# EAGLE board Mk4 Final a Panel score 2x5 (EAGLE 9.0.1), part 6 of 29 (continued)
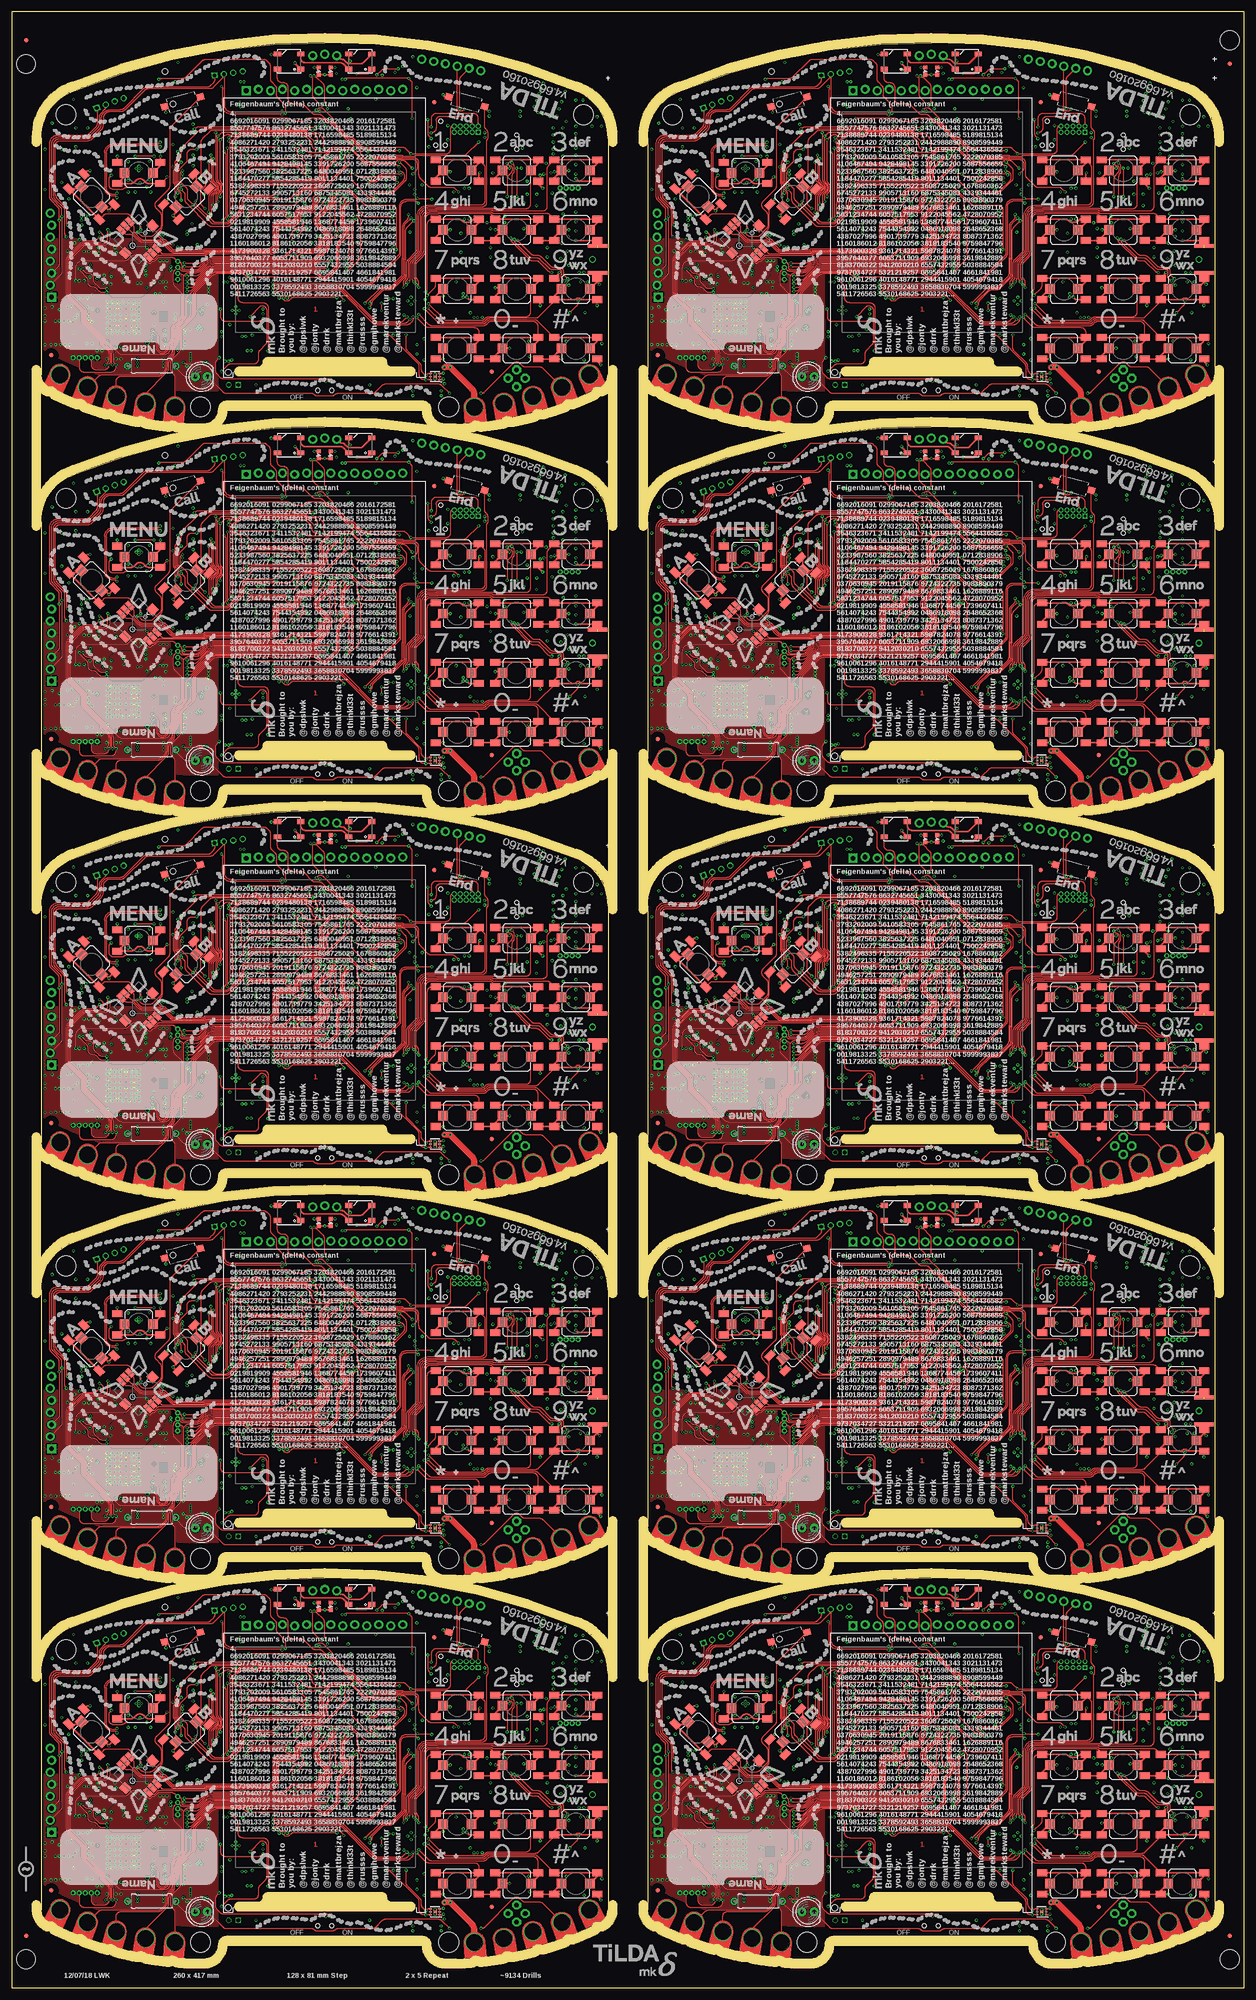
[diagram p0: board, top side]
## Nets (continued)
MIC_PWM_N [Audio]: C80.1 IC12.8 R54.1
MIC_PWM_N1 [Audio]: C181.1 IC27.8 R132.1
MIC_PWM_N2 [Audio]: C289.1 IC45.8 R210.1
MIC_PWM_N3 [Audio]: C397.1 IC63.8 R288.1
MIC_PWM_N4 [Audio]: C505.1 IC81.8 R366.1
MIC_PWM_N5 [Audio]: C613.1 IC99.8 R444.1
MIC_PWM_N6 [Audio]: C721.1 IC117.8 R522.1
MIC_PWM_N7 [Audio]: C829.1 IC135.8 R600.1
MIC_PWM_N8 [Audio]: C937.1 IC153.8 R678.1
MIC_PWM_N9 [Audio]: C1045.1 IC171.8 R756.1
MIC_PWM_P [Audio]: C81.1 IC12.4 R54.2
MIC_PWM_P1 [Audio]: C182.1 IC27.4 R132.2
MIC_PWM_P2 [Audio]: C290.1 IC45.4 R210.2
MIC_PWM_P3 [Audio]: C398.1 IC63.4 R288.2
MIC_PWM_P4 [Audio]: C506.1 IC81.4 R366.2
MIC_PWM_P5 [Audio]: C614.1 IC99.4 R444.2
MIC_PWM_P6 [Audio]: C722.1 IC117.4 R522.2
MIC_PWM_P7 [Audio]: C830.1 IC135.4 R600.2
MIC_PWM_P8 [Audio]: C938.1 IC153.4 R678.2
MIC_PWM_P9 [Audio]: C1046.1 IC171.4 R756.2
MIC_PWM_R: C79.2 R52.1 R53.1
MIC_PWM_R1: C180.2 R130.1 R131.1
MIC_PWM_R2: C288.2 R208.1 R209.1
MIC_PWM_R3: C396.2 R286.1 R287.1
MIC_PWM_R4: C504.2 R364.1 R365.1
MIC_PWM_R5: C612.2 R442.1 R443.1
MIC_PWM_R6: C720.2 R520.1 R521.1
MIC_PWM_R7: C828.2 R598.1 R599.1
MIC_PWM_R8: C936.2 R676.1 R677.1
MIC_PWM_R9: C1044.2 R754.1 R755.1
MIC_SWITCHED_N [Audio]: IC12.10 S22.5
MIC_SWITCHED_N1 [Audio]: IC27.10 S42.5
MIC_SWITCHED_N2 [Audio]: IC45.10 S63.5
MIC_SWITCHED_N3 [Audio]: IC63.10 S84.5
MIC_SWITCHED_N4 [Audio]: IC81.10 S105.5
MIC_SWITCHED_N5 [Audio]: IC99.10 S126.5
MIC_SWITCHED_N6 [Audio]: IC117.10 S147.5
MIC_SWITCHED_N7 [Audio]: IC135.10 S168.5
MIC_SWITCHED_N8 [Audio]: IC153.10 S189.5
MIC_SWITCHED_N9 [Audio]: IC171.10 S210.5
MIC_SWITCHED_P [Audio]: IC12.2 J9.1 S22.2
MIC_SWITCHED_P1 [Audio]: IC27.2 J17.1 S42.2
MIC_SWITCHED_P2 [Audio]: IC45.2 J27.1 S63.2
MIC_SWITCHED_P3 [Audio]: IC63.2 J37.1 S84.2
MIC_SWITCHED_P4 [Audio]: IC81.2 J47.1 S105.2
MIC_SWITCHED_P5 [Audio]: IC99.2 J57.1 S126.2
MIC_SWITCHED_P6 [Audio]: IC117.2 J67.1 S147.2
MIC_SWITCHED_P7 [Audio]: IC135.2 J77.1 S168.2
MIC_SWITCHED_P8 [Audio]: IC153.2 J87.1 S189.2
MIC_SWITCHED_P9 [Audio]: IC171.2 J97.1 S210.2
MUX_A: IC1.105 IC12.12 IC12.13 R56.1
MUX_A1: IC20.105 IC27.12 IC27.13 R134.1
MUX_A2: IC38.105 IC45.12 IC45.13 R212.1
MUX_A3: IC56.105 IC63.12 IC63.13 R290.1
MUX_A4: IC74.105 IC81.12 IC81.13 R368.1
MUX_A5: IC92.105 IC99.12 IC99.13 R446.1
MUX_A6: IC110.105 IC117.12 IC117.13 R524.1
MUX_A7: IC128.105 IC135.12 IC135.13 R602.1
MUX_A8: IC146.105 IC153.12 IC153.13 R680.1
MUX_A9: IC164.105 IC171.12 IC171.13 R758.1
MUX_B: IC1.106 IC12.5 IC12.6 R55.2
MUX_B1: IC20.106 IC27.5 IC27.6 R133.2
MUX_B2: IC38.106 IC45.5 IC45.6 R211.2
MUX_B3: IC56.106 IC63.5 IC63.6 R289.2
MUX_B4: IC74.106 IC81.5 IC81.6 R367.2
MUX_B5: IC92.106 IC99.5 IC99.6 R445.2
MUX_B6: IC110.106 IC117.5 IC117.6 R523.2
MUX_B7: IC128.106 IC135.5 IC135.6 R601.2
MUX_B8: IC146.106 IC153.5 IC153.6 R679.2
MUX_B9: IC164.106 IC171.5 IC171.6 R757.2
NETLIGHT_R: IC5.41 R42.2
NETLIGHT_R1: IC21.41 R124.2
NETLIGHT_R2: IC39.41 R202.2
NETLIGHT_R3: IC57.41 R280.2
NETLIGHT_R4: IC75.41 R358.2
NETLIGHT_R5: IC93.41 R436.2
NETLIGHT_R6: IC111.41 R514.2
NETLIGHT_R7: IC129.41 R592.2
NETLIGHT_R8: IC147.41 R670.2
NETLIGHT_R9: IC165.41 R748.2
NRST: JP4.3
NRST1: JP10.3
NRST2: JP19.3
NRST3: JP28.3
NRST4: JP37.3
NRST5: JP46.3
NRST6: JP55.3
NRST7: JP64.3
NRST8: JP73.3
NRST9: JP82.3
OSC0: C16.2 IC1.88 X2.1
OSC1: IC1.89 R6.1
OSC1_R: C17.2 R6.2 X2.3
OSC1_R1: C127.2 R90.2 X6.3
OSC1_R2: C235.2 R168.2 X10.3
OSC1_R3: C343.2 R246.2 X14.3
OSC1_R4: C451.2 R324.2 X18.3
OSC1_R5: C559.2 R402.2 X22.3
OSC1_R6: C667.2 R480.2 X26.3
OSC1_R7: C775.2 R558.2 X30.3
OSC1_R8: C883.2 R636.2 X34.3
OSC1_R9: C991.2 R714.2 X38.3
OSC2: C126.2 IC20.88 X6.1
OSC3: IC20.89 R90.1
OSC4: C234.2 IC38.88 X10.1
OSC5: IC38.89 R168.1
OSC6: C342.2 IC56.88 X14.1
OSC7: IC56.89 R246.1
OSC8: C450.2 IC74.88 X18.1
OSC9: IC74.89 R324.1
OSC10: C558.2 IC92.88 X22.1
OSC11: IC92.89 R402.1
OSC12: C666.2 IC110.88 X26.1
OSC13: IC110.89 R480.1
OSC14: C774.2 IC128.88 X30.1
OSC15: IC128.89 R558.1
OSC16: C882.2 IC146.88 X34.1
OSC17: IC146.89 R636.1
OSC18: C990.2 IC164.88 X38.1
OSC19: IC164.89 R714.1
POWER_SWITCH: Q3.4 R13.1 S18.3
POWER_SWITCH1: Q7.4 R96.1 S39.3
POWER_SWITCH2: Q12.4 R174.1 S60.3
POWER_SWITCH3: Q16.4 R252.1 S81.3
POWER_SWITCH4: Q20.4 R330.1 S102.3
POWER_SWITCH5: Q24.4 R408.1 S123.3
POWER_SWITCH6: Q28.4 R486.1 S144.3
POWER_SWITCH7: Q32.4 R564.1 S165.3
POWER_SWITCH8: Q36.4 R642.1 S186.3
POWER_SWITCH9: Q40.4 R720.1 S207.3
PWM2_SPK_PWM: C105.2 IC1.44
PWM2_SPK_PWM1: C213.2 IC20.44
PWM2_SPK_PWM2: C321.2 IC38.44
PWM2_SPK_PWM3: C429.2 IC56.44
PWM2_SPK_PWM4: C537.2 IC74.44
PWM2_SPK_PWM5: C645.2 IC92.44
PWM2_SPK_PWM6: C753.2 IC110.44
PWM2_SPK_PWM7: C861.2 IC128.44
PWM2_SPK_PWM8: C969.2 IC146.44
PWM2_SPK_PWM9: C1077.2 IC164.44
PWM3_MIC_PWM: IC1.45 R53.2
PWM3_MIC_PWM1: IC20.45 R131.2
PWM3_MIC_PWM2: IC38.45 R209.2
PWM3_MIC_PWM3: IC56.45 R287.2
PWM3_MIC_PWM4: IC74.45 R365.2
PWM3_MIC_PWM5: IC92.45 R443.2
PWM3_MIC_PWM6: IC110.45 R521.2
PWM3_MIC_PWM7: IC128.45 R599.2
PWM3_MIC_PWM8: IC146.45 R677.2
PWM3_MIC_PWM9: IC164.45 R755.2
PWM6_LCD_BLIGHT: IC1.63 Q8.3
PWM6_LCD_BLIGHT1: IC20.63 Q4.3
PWM6_LCD_BLIGHT2: IC38.63 Q9.3
PWM6_LCD_BLIGHT3: IC56.63 Q13.3
PWM6_LCD_BLIGHT4: IC74.63 Q17.3
PWM6_LCD_BLIGHT5: IC92.63 Q21.3
PWM6_LCD_BLIGHT6: IC110.63 Q25.3
PWM6_LCD_BLIGHT7: IC128.63 Q29.3
PWM6_LCD_BLIGHT8: IC146.63 Q33.3
PWM6_LCD_BLIGHT9: IC164.63 Q37.3
PWR_KEY_FET: IC5.39 Q1.3
PWR_KEY_FET1: IC21.39 Q6.3
PWR_KEY_FET2: IC39.39 Q11.3
PWR_KEY_FET3: IC57.39 Q15.3
PWR_KEY_FET4: IC75.39 Q19.3
PWR_KEY_FET5: IC93.39 Q23.3
PWR_KEY_FET6: IC111.39 Q27.3
PWR_KEY_FET7: IC129.39 Q31.3
PWR_KEY_FET8: IC147.39 Q35.3
PWR_KEY_FET9: IC165.39 Q39.3
RBIAS+: IC1.59 R3.1
RBIAS+1: IC20.59 R87.1
RBIAS+2: IC38.59 R165.1
RBIAS+3: IC56.59 R243.1
RBIAS+4: IC74.59 R321.1
RBIAS+5: IC92.59 R399.1
RBIAS+6: IC110.59 R477.1
RBIAS+7: IC128.59 R555.1
RBIAS+8: IC146.59 R633.1
RBIAS+9: IC164.59 R711.1
SDRAM_!CAS: IC1.83 IC2.17
SDRAM_!CAS1: IC19.17 IC20.83
SDRAM_!CAS2: IC37.17 IC38.83
SDRAM_!CAS3: IC55.17 IC56.83
SDRAM_!CAS4: IC73.17 IC74.83
SDRAM_!CAS5: IC91.17 IC92.83
SDRAM_!CAS6: IC109.17 IC110.83
SDRAM_!CAS7: IC127.17 IC128.83
SDRAM_!CAS8: IC145.17 IC146.83
SDRAM_!CAS9: IC163.17 IC164.83
SDRAM_!CS: IC1.103 IC2.19
SDRAM_!CS1: IC19.19 IC20.103
SDRAM_!CS2: IC37.19 IC38.103
SDRAM_!CS3: IC55.19 IC56.103
SDRAM_!CS4: IC73.19 IC74.103
SDRAM_!CS5: IC91.19 IC92.103
SDRAM_!CS6: IC109.19 IC110.103
SDRAM_!CS7: IC127.19 IC128.103
SDRAM_!CS8: IC145.19 IC146.103
SDRAM_!CS9: IC163.19 IC164.103
SDRAM_!RAS: IC1.84 IC2.18
SDRAM_!RAS1: IC19.18 IC20.84
SDRAM_!RAS2: IC37.18 IC38.84
SDRAM_!RAS3: IC55.18 IC56.84
SDRAM_!RAS4: IC73.18 IC74.84
SDRAM_!RAS5: IC91.18 IC92.84
SDRAM_!RAS6: IC109.18 IC110.84
SDRAM_!RAS7: IC127.18 IC128.84
SDRAM_!RAS8: IC145.18 IC146.84
SDRAM_!RAS9: IC163.18 IC164.84
SDRAM_!WE: IC1.92 IC2.16
SDRAM_!WE1: IC19.16 IC20.92
SDRAM_!WE2: IC37.16 IC38.92
SDRAM_!WE3: IC55.16 IC56.92
SDRAM_!WE4: IC73.16 IC74.92
SDRAM_!WE5: IC91.16 IC92.92
SDRAM_!WE6: IC109.16 IC110.92
SDRAM_!WE7: IC127.16 IC128.92
SDRAM_!WE8: IC145.16 IC146.92
SDRAM_!WE9: IC163.16 IC164.92
SDRAM_A0: IC1.29 IC2.2 IC2.23
SDRAM_A1: IC1.30 IC2.4 IC2.24
SDRAM_A2: IC1.31 IC2.5 IC2.25
SDRAM_A3: IC1.32 IC2.7 IC2.26
SDRAM_A4: IC1.22 IC2.8 IC2.29
SDRAM_A5: IC1.23 IC2.10 IC2.30
SDRAM_A6: IC1.24 IC2.11 IC2.31
SDRAM_A7: IC1.25 IC2.13 IC2.32
SDRAM_A8: IC1.40 IC2.33 IC2.42
SDRAM_A9: IC1.41 IC2.34 IC2.44
SDRAM_A10: IC1.50 IC2.22 IC2.45
SDRAM_A11: IC1.49 IC2.35 IC2.47
SDRAM_A12: IC1.75 IC2.36 IC2.48
SDRAM_A13: IC19.2 IC19.23 IC20.29
SDRAM_A14: IC19.4 IC19.24 IC20.30
SDRAM_A15: IC19.5 IC19.25 IC20.31
SDRAM_A16: IC19.7 IC19.26 IC20.32
SDRAM_A17: IC19.8 IC19.29 IC20.22
SDRAM_A18: IC19.10 IC19.30 IC20.23
SDRAM_A19: IC19.11 IC19.31 IC20.24
SDRAM_A20: IC19.13 IC19.32 IC20.25
SDRAM_A21: IC19.33 IC19.42 IC20.40
SDRAM_A22: IC19.34 IC19.44 IC20.41
SDRAM_A23: IC19.22 IC19.45 IC20.50
SDRAM_A24: IC19.36 IC19.48 IC20.75
SDRAM_A25: IC19.35 IC19.47 IC20.49
SDRAM_A26: IC37.2 IC37.23 IC38.29
SDRAM_A27: IC37.4 IC37.24 IC38.30
SDRAM_A28: IC37.5 IC37.25 IC38.31
SDRAM_A29: IC37.7 IC37.26 IC38.32
SDRAM_A30: IC37.8 IC37.29 IC38.22
SDRAM_A31: IC37.10 IC37.30 IC38.23
SDRAM_A32: IC37.11 IC37.31 IC38.24
SDRAM_A33: IC37.13 IC37.32 IC38.25
SDRAM_A34: IC37.33 IC37.42 IC38.40
SDRAM_A35: IC37.34 IC37.44 IC38.41
SDRAM_A36: IC37.22 IC37.45 IC38.50
SDRAM_A37: IC37.36 IC37.48 IC38.75
SDRAM_A38: IC37.35 IC37.47 IC38.49
SDRAM_A39: IC55.2 IC55.23 IC56.29
SDRAM_A40: IC55.4 IC55.24 IC56.30
SDRAM_A41: IC55.5 IC55.25 IC56.31
SDRAM_A42: IC55.7 IC55.26 IC56.32
SDRAM_A43: IC55.8 IC55.29 IC56.22
SDRAM_A44: IC55.10 IC55.30 IC56.23
SDRAM_A45: IC55.11 IC55.31 IC56.24
SDRAM_A46: IC55.13 IC55.32 IC56.25
SDRAM_A47: IC55.33 IC55.42 IC56.40
SDRAM_A48: IC55.34 IC55.44 IC56.41
SDRAM_A49: IC55.22 IC55.45 IC56.50
SDRAM_A50: IC55.36 IC55.48 IC56.75
SDRAM_A51: IC55.35 IC55.47 IC56.49
SDRAM_A52: IC73.2 IC73.23 IC74.29
SDRAM_A53: IC73.4 IC73.24 IC74.30
SDRAM_A54: IC73.5 IC73.25 IC74.31
SDRAM_A55: IC73.7 IC73.26 IC74.32
SDRAM_A56: IC73.8 IC73.29 IC74.22
SDRAM_A57: IC73.10 IC73.30 IC74.23
SDRAM_A58: IC73.11 IC73.31 IC74.24
SDRAM_A59: IC73.13 IC73.32 IC74.25
SDRAM_A60: IC73.33 IC73.42 IC74.40
SDRAM_A61: IC73.34 IC73.44 IC74.41
SDRAM_A62: IC73.22 IC73.45 IC74.50
SDRAM_A63: IC73.36 IC73.48 IC74.75
SDRAM_A64: IC73.35 IC73.47 IC74.49
SDRAM_A65: IC91.2 IC91.23 IC92.29
SDRAM_A66: IC91.4 IC91.24 IC92.30
SDRAM_A67: IC91.5 IC91.25 IC92.31
SDRAM_A68: IC91.7 IC91.26 IC92.32
SDRAM_A69: IC91.8 IC91.29 IC92.22
SDRAM_A70: IC91.10 IC91.30 IC92.23
SDRAM_A71: IC91.11 IC91.31 IC92.24
SDRAM_A72: IC91.13 IC91.32 IC92.25
SDRAM_A73: IC91.33 IC91.42 IC92.40
SDRAM_A74: IC91.34 IC91.44 IC92.41
SDRAM_A75: IC91.22 IC91.45 IC92.50
SDRAM_A76: IC91.36 IC91.48 IC92.75
SDRAM_A77: IC91.35 IC91.47 IC92.49
SDRAM_A78: IC109.2 IC109.23 IC110.29
SDRAM_A79: IC109.4 IC109.24 IC110.30
SDRAM_A80: IC109.5 IC109.25 IC110.31
SDRAM_A81: IC109.7 IC109.26 IC110.32
SDRAM_A82: IC109.8 IC109.29 IC110.22
SDRAM_A83: IC109.10 IC109.30 IC110.23
SDRAM_A84: IC109.11 IC109.31 IC110.24
SDRAM_A85: IC109.13 IC109.32 IC110.25
SDRAM_A86: IC109.33 IC109.42 IC110.40
SDRAM_A87: IC109.34 IC109.44 IC110.41
SDRAM_A88: IC109.22 IC109.45 IC110.50
SDRAM_A89: IC109.36 IC109.48 IC110.75
SDRAM_A90: IC109.35 IC109.47 IC110.49
SDRAM_A91: IC127.2 IC127.23 IC128.29
SDRAM_A92: IC127.4 IC127.24 IC128.30
SDRAM_A93: IC127.5 IC127.25 IC128.31
SDRAM_A94: IC127.7 IC127.26 IC128.32
SDRAM_A95: IC127.8 IC127.29 IC128.22
SDRAM_A96: IC127.10 IC127.30 IC128.23
SDRAM_A97: IC127.11 IC127.31 IC128.24
SDRAM_A98: IC127.13 IC127.32 IC128.25
SDRAM_A99: IC127.33 IC127.42 IC128.40
SDRAM_A100: IC127.34 IC127.44 IC128.41
SDRAM_A101: IC127.22 IC127.45 IC128.50
SDRAM_A102: IC127.36 IC127.48 IC128.75
SDRAM_A103: IC127.35 IC127.47 IC128.49
SDRAM_A104: IC145.2 IC145.23 IC146.29
SDRAM_A105: IC145.4 IC145.24 IC146.30
SDRAM_A106: IC145.5 IC145.25 IC146.31
SDRAM_A107: IC145.7 IC145.26 IC146.32
SDRAM_A108: IC145.8 IC145.29 IC146.22
SDRAM_A109: IC145.10 IC145.30 IC146.23
SDRAM_A110: IC145.11 IC145.31 IC146.24
SDRAM_A111: IC145.13 IC145.32 IC146.25
SDRAM_A112: IC145.33 IC145.42 IC146.40
SDRAM_A113: IC145.34 IC145.44 IC146.41
SDRAM_A114: IC145.22 IC145.45 IC146.50
SDRAM_A115: IC145.36 IC145.48 IC146.75
SDRAM_A116: IC145.35 IC145.47 IC146.49
SDRAM_A117: IC163.2 IC163.23 IC164.29
SDRAM_A118: IC163.4 IC163.24 IC164.30
SDRAM_A119: IC163.5 IC163.25 IC164.31
SDRAM_A120: IC163.7 IC163.26 IC164.32
SDRAM_A121: IC163.8 IC163.29 IC164.22
SDRAM_A122: IC163.10 IC163.30 IC164.23
SDRAM_A123: IC163.11 IC163.31 IC164.24
SDRAM_A124: IC163.13 IC163.32 IC164.25
SDRAM_A125: IC163.33 IC163.42 IC164.40
SDRAM_A126: IC163.34 IC163.44 IC164.41
SDRAM_A127: IC163.22 IC163.45 IC164.50
SDRAM_A128: IC163.36 IC163.48 IC164.75
SDRAM_A129: IC163.35 IC163.47 IC164.49
SDRAM_BA0: IC1.76 IC2.20 IC2.50
SDRAM_BA1: IC1.77 IC2.21 IC2.51
SDRAM_BA2: IC19.21 IC19.51 IC20.77
SDRAM_BA3: IC19.20 IC19.50 IC20.76
SDRAM_BA4: IC37.21 IC37.51 IC38.77
SDRAM_BA5: IC37.20 IC37.50 IC38.76
SDRAM_BA6: IC55.21 IC55.51 IC56.77
SDRAM_BA7: IC55.20 IC55.50 IC56.76
SDRAM_BA8: IC73.21 IC73.51 IC74.77
SDRAM_BA9: IC73.20 IC73.50 IC74.76
SDRAM_BA10: IC91.21 IC91.51 IC92.77
SDRAM_BA11: IC91.20 IC91.50 IC92.76
SDRAM_BA12: IC109.21 IC109.51 IC110.77
SDRAM_BA13: IC109.20 IC109.50 IC110.76
SDRAM_BA14: IC127.21 IC127.51 IC128.77
SDRAM_BA15: IC127.20 IC127.50 IC128.76
SDRAM_BA16: IC145.21 IC145.51 IC146.77
SDRAM_BA17: IC145.20 IC145.50 IC146.76
SDRAM_BA18: IC163.21 IC163.51 IC164.77
SDRAM_BA19: IC163.20 IC163.50 IC164.76
SDRAM_CKE: IC1.104 IC2.37
SDRAM_CKE1: IC19.37 IC20.104
SDRAM_CKE2: IC37.37 IC38.104
SDRAM_CKE3: IC55.37 IC56.104
SDRAM_CKE4: IC73.37 IC74.104
SDRAM_CKE5: IC91.37 IC92.104
SDRAM_CKE6: IC109.37 IC110.104
SDRAM_CKE7: IC127.37 IC128.104
SDRAM_CKE8: IC145.37 IC146.104
SDRAM_CKE9: IC163.37 IC164.104
SDRAM_CLK: IC1.62 IC2.38
SDRAM_CLK1: IC19.38 IC20.62
SDRAM_CLK2: IC37.38 IC38.62
SDRAM_CLK3: IC55.38 IC56.62
SDRAM_CLK4: IC73.38 IC74.62
SDRAM_CLK5: IC91.38 IC92.62
SDRAM_CLK6: IC109.38 IC110.62
SDRAM_CLK7: IC127.38 IC128.62
SDRAM_CLK8: IC145.38 IC146.62
SDRAM_CLK9: IC163.38 IC164.62
SDRAM_D1: IC19.53 IC20.78
SDRAM_D2: IC37.53 IC38.78
SDRAM_D3: IC55.53 IC56.78
SDRAM_D4: IC73.53 IC74.78
SDRAM_D5: IC91.53 IC92.78
SDRAM_D6: IC109.53 IC110.78
SDRAM_D7: IC127.53 IC128.78
SDRAM_D8: IC145.53 IC146.78
SDRAM_D9: IC163.53 IC164.78
SDRAM_D15: IC1.78 IC2.53
SDRAM_DQMH: IC1.82 IC2.39
SDRAM_DQMH1: IC19.39 IC20.82
SDRAM_DQMH2: IC37.39 IC38.82
SDRAM_DQMH3: IC55.39 IC56.82
SDRAM_DQMH4: IC73.39 IC74.82
SDRAM_DQMH5: IC91.39 IC92.82
SDRAM_DQMH6: IC109.39 IC110.82
SDRAM_DQMH7: IC127.39 IC128.82
SDRAM_DQMH8: IC145.39 IC146.82
SDRAM_DQMH9: IC163.39 IC164.82
SDRAM_DQML: IC1.81 IC2.15
SDRAM_DQML1: IC19.15 IC20.81
SDRAM_DQML2: IC37.15 IC38.81
SDRAM_DQML3: IC55.15 IC56.81
SDRAM_DQML4: IC73.15 IC74.81
SDRAM_DQML5: IC91.15 IC92.81
SDRAM_DQML6: IC109.15 IC110.81
SDRAM_DQML7: IC127.15 IC128.81
SDRAM_DQML8: IC145.15 IC146.81
SDRAM_DQML9: IC163.15 IC164.81
SIM_CLK: IC10.2 J1.C3 R27.2
SIM_CLK1: IC25.2 J14.C3 R109.2
SIM_CLK2: IC43.2 J24.C3 R187.2
SIM_CLK3: IC61.2 J34.C3 R265.2
SIM_CLK4: IC79.2 J44.C3 R343.2
SIM_CLK5: IC97.2 J54.C3 R421.2
SIM_CLK6: IC115.2 J64.C3 R499.2
SIM_CLK7: IC133.2 J74.C3 R577.2
SIM_CLK8: IC151.2 J84.C3 R655.2
SIM_CLK9: IC169.2 J94.C3 R733.2
SIM_CLK_R: C49.2 IC5.16 R27.1
SIM_CLK_R1: C156.2 IC21.16 R109.1
SIM_CLK_R2: C264.2 IC39.16 R187.1
SIM_CLK_R3: C372.2 IC57.16 R265.1
SIM_CLK_R4: C480.2 IC75.16 R343.1
SIM_CLK_R5: C588.2 IC93.16 R421.1
SIM_CLK_R6: C696.2 IC111.16 R499.1
SIM_CLK_R7: C804.2 IC129.16 R577.1
SIM_CLK_R8: C912.2 IC147.16 R655.1
SIM_CLK_R9: C1020.2 IC165.16 R733.1
SIM_CTS: R34.1 TP4.TP
SIM_CTS1: R117.1 TP23.TP
SIM_CTS2: R195.1 TP42.TP
SIM_CTS3: R273.1 TP61.TP
SIM_CTS4: R351.1 TP80.TP
SIM_CTS5: R429.1 TP99.TP
SIM_CTS6: R507.1 TP118.TP
SIM_CTS7: R585.1 TP137.TP
SIM_CTS8: R663.1 TP156.TP
SIM_CTS9: R741.1 TP175.TP
SIM_CTS_R: IC5.4 R34.2
SIM_CTS_R1: IC21.4 R117.2
SIM_CTS_R2: IC39.4 R195.2
SIM_CTS_R3: IC57.4 R273.2
SIM_CTS_R4: IC75.4 R351.2
SIM_CTS_R5: IC93.4 R429.2
SIM_CTS_R6: IC111.4 R507.2
SIM_CTS_R7: IC129.4 R585.2
SIM_CTS_R8: IC147.4 R663.2
SIM_CTS_R9: IC165.4 R741.2
SIM_D_N [90R Diff]: IC5.26 JP9.2
SIM_D_N1 [90R Diff]: IC21.26 JP14.2
SIM_D_N2 [90R Diff]: IC39.26 JP23.2
SIM_D_N3 [90R Diff]: IC57.26 JP32.2
SIM_D_N4 [90R Diff]: IC75.26 JP41.2
SIM_D_N5 [90R Diff]: IC93.26 JP50.2
SIM_D_N6 [90R Diff]: IC111.26 JP59.2
SIM_D_N7 [90R Diff]: IC129.26 JP68.2
SIM_D_N8 [90R Diff]: IC147.26 JP77.2
SIM_D_N9 [90R Diff]: IC165.26 JP86.2
SIM_D_P [90R Diff]: IC5.25 JP9.3
SIM_D_P1 [90R Diff]: IC21.25 JP14.3
SIM_D_P2 [90R Diff]: IC39.25 JP23.3
SIM_D_P3 [90R Diff]: IC57.25 JP32.3
SIM_D_P4 [90R Diff]: IC75.25 JP41.3
SIM_D_P5 [90R Diff]: IC93.25 JP50.3
SIM_D_P6 [90R Diff]: IC111.25 JP59.3
SIM_D_P7 [90R Diff]: IC129.25 JP68.3
SIM_D_P8 [90R Diff]: IC147.25 JP77.3
SIM_D_P9 [90R Diff]: IC165.25 JP86.3
SIM_DATA: IC10.1 J1.C7 R26.2
SIM_DATA1: IC25.1 J14.C7 R108.2
SIM_DATA2: IC43.1 J24.C7 R186.2
SIM_DATA3: IC61.1 J34.C7 R264.2
SIM_DATA4: IC79.1 J44.C7 R342.2
SIM_DATA5: IC97.1 J54.C7 R420.2
SIM_DATA6: IC115.1 J64.C7 R498.2
SIM_DATA7: IC133.1 J74.C7 R576.2
SIM_DATA8: IC151.1 J84.C7 R654.2
SIM_DATA9: IC169.1 J94.C7 R732.2
SIM_DATA_R: C50.2 IC5.15 R26.1
SIM_DATA_R1: C157.2 IC21.15 R108.1
SIM_DATA_R2: C265.2 IC39.15 R186.1
SIM_DATA_R3: C373.2 IC57.15 R264.1
SIM_DATA_R4: C481.2 IC75.15 R342.1
SIM_DATA_R5: C589.2 IC93.15 R420.1
SIM_DATA_R6: C697.2 IC111.15 R498.1
SIM_DATA_R7: C805.2 IC129.15 R576.1
SIM_DATA_R8: C913.2 IC147.15 R654.1
SIM_DATA_R9: C1021.2 IC165.15 R732.1
SIM_DCD: R33.1 TP3.TP
SIM_DCD1: R116.1 TP22.TP
SIM_DCD2: R194.1 TP41.TP
SIM_DCD3: R272.1 TP60.TP
SIM_DCD4: R350.1 TP79.TP
SIM_DCD5: R428.1 TP98.TP
SIM_DCD6: R506.1 TP117.TP
SIM_DCD7: R584.1 TP136.TP
SIM_DCD8: R662.1 TP155.TP
SIM_DCD9: R740.1 TP174.TP
SIM_DCD_R: IC5.5 R33.2
SIM_DCD_R1: IC21.5 R116.2
SIM_DCD_R2: IC39.5 R194.2
SIM_DCD_R3: IC57.5 R272.2
SIM_DCD_R4: IC75.5 R350.2
SIM_DCD_R5: IC93.5 R428.2
SIM_DCD_R6: IC111.5 R506.2
SIM_DCD_R7: IC129.5 R584.2
SIM_DCD_R8: IC147.5 R662.2
SIM_DCD_R9: IC165.5 R740.2
SIM_DET: IC5.14 J1.C8 R29.2
SIM_DET1: IC21.14 J14.C8 R111.2
SIM_DET2: IC39.14 J24.C8 R189.2
SIM_DET3: IC57.14 J34.C8 R267.2
SIM_DET4: IC75.14 J44.C8 R345.2
SIM_DET5: IC93.14 J54.C8 R423.2
SIM_DET6: IC111.14 J64.C8 R501.2
SIM_DET7: IC129.14 J74.C8 R579.2
SIM_DET8: IC147.14 J84.C8 R657.2
SIM_DET9: IC165.14 J94.C8 R735.2
SIM_DTR: R31.1 TP2.TP
SIM_DTR1: R113.1 TP21.TP
SIM_DTR2: R191.1 TP40.TP
SIM_DTR3: R269.1 TP59.TP
SIM_DTR4: R347.1 TP78.TP
SIM_DTR5: R425.1 TP97.TP
SIM_DTR6: R503.1 TP116.TP
SIM_DTR7: R581.1 TP135.TP
SIM_DTR8: R659.1 TP154.TP
SIM_DTR9: R737.1 TP173.TP
SIM_DTR_R: IC5.6 R31.2 R40.1
SIM_DTR_R1: IC21.6 R113.2 R122.1
SIM_DTR_R2: IC39.6 R191.2 R200.1
SIM_DTR_R3: IC57.6 R269.2 R278.1
SIM_DTR_R4: IC75.6 R347.2 R356.1
SIM_DTR_R5: IC93.6 R425.2 R434.1
SIM_DTR_R6: IC111.6 R503.2 R512.1
SIM_DTR_R7: IC129.6 R581.2 R590.1
SIM_DTR_R8: IC147.6 R659.2 R668.1
SIM_DTR_R9: IC165.6 R737.2 R746.1
SIM_NETLIGHT: IC1.108 R42.1 TP12.TP
SIM_NETLIGHT1: IC20.108 R124.1 TP31.TP
SIM_NETLIGHT2: IC38.108 R202.1 TP50.TP
SIM_NETLIGHT3: IC56.108 R280.1 TP69.TP
SIM_NETLIGHT4: IC74.108 R358.1 TP88.TP
SIM_NETLIGHT5: IC92.108 R436.1 TP107.TP
SIM_NETLIGHT6: IC110.108 R514.1 TP126.TP
SIM_NETLIGHT7: IC128.108 R592.1 TP145.TP
SIM_NETLIGHT8: IC146.108 R670.1 TP164.TP
SIM_NETLIGHT9: IC164.108 R748.1 TP183.TP
SIM_PWR_KEY: IC1.109 Q1.1 R30.1 TP13.TP
SIM_PWR_KEY1: IC20.109 Q6.1 R112.1 TP32.TP
SIM_PWR_KEY2: IC38.109 Q11.1 R190.1 TP51.TP
SIM_PWR_KEY3: IC56.109 Q15.1 R268.1 TP70.TP
SIM_PWR_KEY4: IC74.109 Q19.1 R346.1 TP89.TP
SIM_PWR_KEY5: IC92.109 Q23.1 R424.1 TP108.TP
SIM_PWR_KEY6: IC110.109 Q27.1 R502.1 TP127.TP
SIM_PWR_KEY7: IC128.109 Q31.1 R580.1 TP146.TP
SIM_PWR_KEY8: IC146.109 Q35.1 R658.1 TP165.TP
SIM_PWR_KEY9: IC164.109 Q39.1 R736.1 TP184.TP
SIM_RI: IC1.112 R32.1 TP10.TP
SIM_RI1: IC20.112 R115.1 TP29.TP
SIM_RI2: IC38.112 R193.1 TP48.TP
SIM_RI3: IC56.112 R271.1 TP67.TP
SIM_RI4: IC74.112 R349.1 TP86.TP
SIM_RI5: IC92.112 R427.1 TP105.TP
SIM_RI6: IC110.112 R505.1 TP124.TP
SIM_RI7: IC128.112 R583.1 TP143.TP
SIM_RI8: IC146.112 R661.1 TP162.TP
SIM_RI9: IC164.112 R739.1 TP181.TP
SIM_RI_R: IC5.7 R32.2
SIM_RI_R1: IC21.7 R115.2
SIM_RI_R2: IC39.7 R193.2
SIM_RI_R3: IC57.7 R271.2
SIM_RI_R4: IC75.7 R349.2
SIM_RI_R5: IC93.7 R427.2
SIM_RI_R6: IC111.7 R505.2
SIM_RI_R7: IC129.7 R583.2
SIM_RI_R8: IC147.7 R661.2
SIM_RI_R9: IC165.7 R739.2
SIM_RST: IC10.4 J1.C2 R28.2
SIM_RST1: IC25.4 J14.C2 R110.2
SIM_RST2: IC43.4 J24.C2 R188.2
SIM_RST3: IC61.4 J34.C2 R266.2
SIM_RST4: IC79.4 J44.C2 R344.2
SIM_RST5: IC97.4 J54.C2 R422.2
SIM_RST6: IC115.4 J64.C2 R500.2
SIM_RST7: IC133.4 J74.C2 R578.2
SIM_RST8: IC151.4 J84.C2 R656.2
SIM_RST9: IC169.4 J94.C2 R734.2
SIM_RST_R: C48.2 IC5.17 R28.1
SIM_RST_R1: C155.2 IC21.17 R110.1
SIM_RST_R2: C263.2 IC39.17 R188.1
SIM_RST_R3: C371.2 IC57.17 R266.1
SIM_RST_R4: C479.2 IC75.17 R344.1
SIM_RST_R5: C587.2 IC93.17 R422.1
SIM_RST_R6: C695.2 IC111.17 R500.1
SIM_RST_R7: C803.2 IC129.17 R578.1
SIM_RST_R8: C911.2 IC147.17 R656.1
SIM_RST_R9: C1019.2 IC165.17 R734.1
SIM_RTS: R35.1 TP5.TP
SIM_RTS1: R118.1 TP24.TP
SIM_RTS2: R196.1 TP43.TP
SIM_RTS3: R274.1 TP62.TP
SIM_RTS4: R352.1 TP81.TP
SIM_RTS5: R430.1 TP100.TP
SIM_RTS6: R508.1 TP119.TP
SIM_RTS7: R586.1 TP138.TP
SIM_RTS8: R664.1 TP157.TP
SIM_RTS9: R742.1 TP176.TP
SIM_RTS_R: IC5.3 R35.2 R39.1
SIM_RTS_R1: IC21.3 R118.2 R121.1
SIM_RTS_R2: IC39.3 R196.2 R199.1
SIM_RTS_R3: IC57.3 R274.2 R277.1
SIM_RTS_R4: IC75.3 R352.2 R355.1
SIM_RTS_R5: IC93.3 R430.2 R433.1
SIM_RTS_R6: IC111.3 R508.2 R511.1
SIM_RTS_R7: IC129.3 R586.2 R589.1
SIM_RTS_R8: IC147.3 R664.2 R667.1
SIM_RTS_R9: IC165.3 R742.2 R745.1
SIM_RXD_R: IC5.2 R37.2 R38.1
SIM_RXD_R1: IC21.2 R114.1 R120.2
SIM_RXD_R2: IC39.2 R192.1 R198.2
SIM_RXD_R3: IC57.2 R270.1 R276.2
SIM_RXD_R4: IC75.2 R348.1 R354.2
SIM_RXD_R5: IC93.2 R426.1 R432.2
SIM_RXD_R6: IC111.2 R504.1 R510.2
SIM_RXD_R7: IC129.2 R582.1 R588.2
SIM_RXD_R8: IC147.2 R660.1 R666.2
SIM_RXD_R9: IC165.2 R738.1 R744.2
SIM_STATUS: IC1.107 R41.1 TP11.TP
SIM_STATUS1: IC20.107 R123.1 TP30.TP
SIM_STATUS2: IC38.107 R201.1 TP49.TP
SIM_STATUS3: IC56.107 R279.1 TP68.TP
SIM_STATUS4: IC74.107 R357.1 TP87.TP
SIM_STATUS5: IC92.107 R435.1 TP106.TP
SIM_STATUS6: IC110.107 R513.1 TP125.TP
SIM_STATUS7: IC128.107 R591.1 TP144.TP
SIM_STATUS8: IC146.107 R669.1 TP163.TP
SIM_STATUS9: IC164.107 R747.1 TP182.TP
SIM_STATUS_R: IC5.42 R41.2
SIM_STATUS_R1: IC21.42 R123.2
SIM_STATUS_R2: IC39.42 R201.2
SIM_STATUS_R3: IC57.42 R279.2
SIM_STATUS_R4: IC75.42 R357.2
SIM_STATUS_R5: IC93.42 R435.2
SIM_STATUS_R6: IC111.42 R513.2
SIM_STATUS_R7: IC129.42 R591.2
SIM_STATUS_R8: IC147.42 R669.2
SIM_STATUS_R9: IC165.42 R747.2
SIM_TXD_R: IC5.1 R36.2
SIM_TXD_R1: IC21.1 R119.2
SIM_TXD_R2: IC39.1 R197.2
SIM_TXD_R3: IC57.1 R275.2
SIM_TXD_R4: IC75.1 R353.2
SIM_TXD_R5: IC93.1 R431.2
SIM_TXD_R6: IC111.1 R509.2
SIM_TXD_R7: IC129.1 R587.2
SIM_TXD_R8: IC147.1 R665.2
SIM_TXD_R9: IC165.1 R743.2
SIM_VBUS: IC5.24 JP9.4
SIM_VBUS1: IC21.24 JP14.4
SIM_VBUS2: IC39.24 JP23.4
SIM_VBUS3: IC57.24 JP32.4
SIM_VBUS4: IC75.24 JP41.4
SIM_VBUS5: IC93.24 JP50.4
SIM_VBUS6: IC111.24 JP59.4
SIM_VBUS7: IC129.24 JP68.4
SIM_VBUS8: IC147.24 JP77.4
SIM_VBUS9: IC165.24 JP86.4
SIM_VDD: C51.2 IC5.18 IC10.5 J1.C1
SIM_VDD1: C158.2 IC21.18 IC25.5 J14.C1
SIM_VDD2: C266.2 IC39.18 IC43.5 J24.C1
SIM_VDD3: C374.2 IC57.18 IC61.5 J34.C1
SIM_VDD4: C482.2 IC75.18 IC79.5 J44.C1
SIM_VDD5: C590.2 IC93.18 IC97.5 J54.C1
SIM_VDD6: C698.2 IC111.18 IC115.5 J64.C1
SIM_VDD7: C806.2 IC129.18 IC133.5 J74.C1
SIM_VDD8: C914.2 IC147.18 IC151.5 J84.C1
SIM_VDD9: C1022.2 IC165.18 IC169.5 J94.C1
SOP0: IC15.35 R64.1
SOP1: IC15.34 R63.1
SOP2: IC15.21 R62.1
SOP3: IC29.21 R140.1
SOP4: IC29.34 R141.1
SOP5: IC29.35 R142.1
SOP6: IC47.21 R218.1
SOP7: IC47.34 R219.1
SOP8: IC47.35 R220.1
SOP9: IC65.21 R296.1
SOP10: IC65.34 R297.1
SOP11: IC65.35 R298.1
SOP12: IC83.21 R374.1
SOP13: IC83.34 R375.1
SOP14: IC83.35 R376.1
SOP15: IC101.21 R452.1
SOP16: IC101.34 R453.1
SOP17: IC101.35 R454.1
SOP18: IC119.21 R530.1
SOP19: IC119.34 R531.1
SOP20: IC119.35 R532.1
SOP21: IC137.21 R608.1
SOP22: IC137.34 R609.1
SOP23: IC137.35 R610.1
SOP24: IC155.21 R686.1
SOP25: IC155.34 R687.1
SOP26: IC155.35 R688.1
SOP27: IC173.21 R764.1
SOP28: IC173.34 R765.1
SOP29: IC173.35 R766.1
SPK_AMP_N [Audio]: IC13.8 U5.-
SPK_AMP_N1 [Audio]: IC28.8 U6.-
SPK_AMP_N2 [Audio]: IC46.8 U9.-
SPK_AMP_N3 [Audio]: IC64.8 U12.-
SPK_AMP_N4 [Audio]: IC82.8 U15.-
SPK_AMP_N5 [Audio]: IC100.8 U18.-
SPK_AMP_N6 [Audio]: IC118.8 U21.-
SPK_AMP_N7 [Audio]: IC136.8 U24.-
SPK_AMP_N8 [Audio]: IC154.8 U27.-
SPK_AMP_N9 [Audio]: IC172.8 U30.-
SPK_AMP_P [Audio]: IC13.5 U5.+
SPK_AMP_P1 [Audio]: IC28.5 U6.+
SPK_AMP_P2 [Audio]: IC46.5 U9.+
SPK_AMP_P3 [Audio]: IC64.5 U12.+
SPK_AMP_P4 [Audio]: IC82.5 U15.+
SPK_AMP_P5 [Audio]: IC100.5 U18.+
SPK_AMP_P6 [Audio]: IC118.5 U21.+
SPK_AMP_P7 [Audio]: IC136.5 U24.+
SPK_AMP_P8 [Audio]: IC154.5 U27.+
SPK_AMP_P9 [Audio]: IC172.5 U30.+
SPK_N [Audio]: C64.2 C65.1 C67.1 C68.2 C82.2 IC5.12 R43.1
SPK_N1 [Audio]: C165.2 C166.1 C168.1 C169.2 C183.2 IC21.12 R125.1
SPK_N2 [Audio]: C273.2 C274.1 C276.1 C277.2 C291.2 IC39.12 R203.1
SPK_N3 [Audio]: C381.2 C382.1 C384.1 C385.2 C399.2 IC57.12 R281.1
SPK_N4 [Audio]: C489.2 C490.1 C492.1 C493.2 C507.2 IC75.12 R359.1
SPK_N5 [Audio]: C597.2 C598.1 C600.1 C601.2 C615.2 IC93.12 R437.1
SPK_N6 [Audio]: C705.2 C706.1 C708.1 C709.2 C723.2 IC111.12 R515.1
SPK_N7 [Audio]: C813.2 C814.1 C816.1 C817.2 C831.2 IC129.12 R593.1
SPK_N8 [Audio]: C921.2 C922.1 C924.1 C925.2 C939.2 IC147.12 R671.1
SPK_N9 [Audio]: C1029.2 C1030.1 C1032.1 C1033.2 C1047.2 IC165.12 R749.1
SPK_P [Audio]: C64.1 C66.1 C68.1 C69.1 C83.2 IC5.11 R45.1
SPK_P1 [Audio]: C165.1 C167.1 C169.1 C170.1 C184.2 IC21.11 R126.1
SPK_P2 [Audio]: C273.1 C275.1 C277.1 C278.1 C292.2 IC39.11 R204.1
SPK_P3 [Audio]: C381.1 C383.1 C385.1 C386.1 C400.2 IC57.11 R282.1
SPK_P4 [Audio]: C489.1 C491.1 C493.1 C494.1 C508.2 IC75.11 R360.1
SPK_P5 [Audio]: C597.1 C599.1 C601.1 C602.1 C616.2 IC93.11 R438.1
SPK_P6 [Audio]: C705.1 C707.1 C709.1 C710.1 C724.2 IC111.11 R516.1
SPK_P7 [Audio]: C813.1 C815.1 C817.1 C818.1 C832.2 IC129.11 R594.1
SPK_P8 [Audio]: C921.1 C923.1 C925.1 C926.1 C940.2 IC147.11 R672.1